# KiCad board ControlBoard.kicad_pcb (continued)
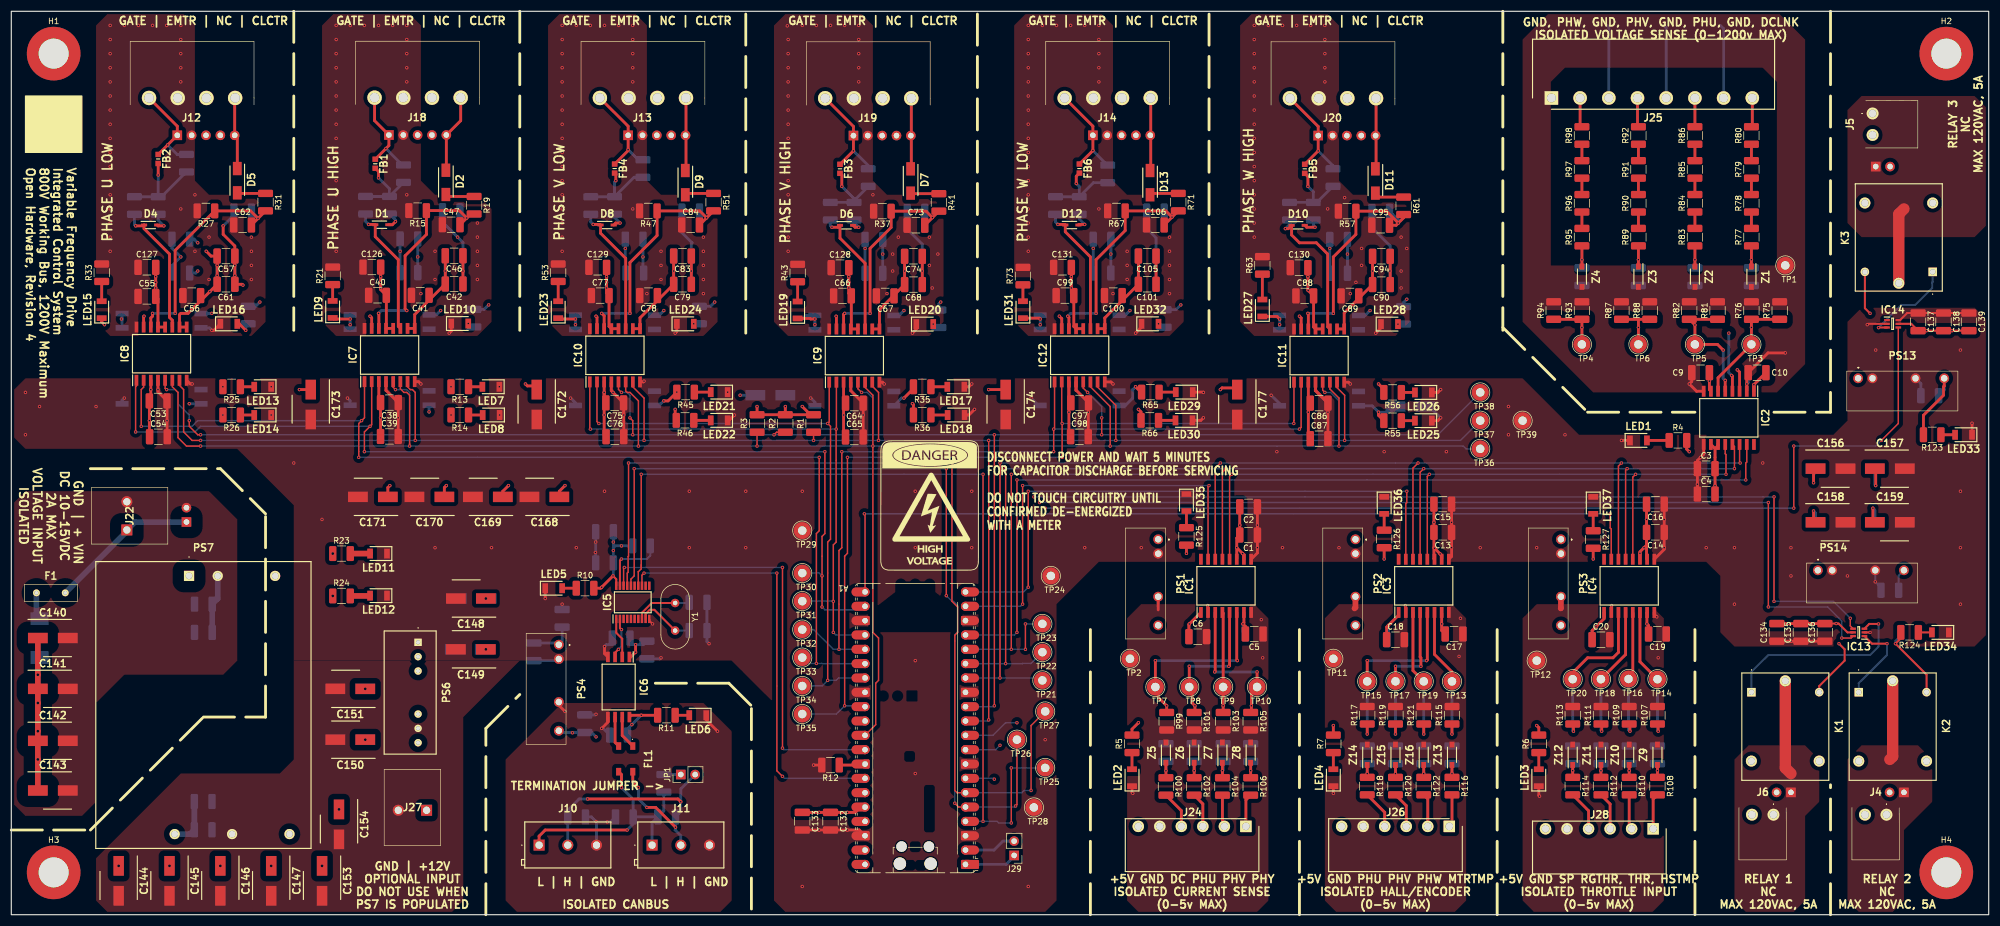
[diagram p0: board, top side]
## Footprints (pads in the part's own frame, mm; a bottom-side part is the same pattern mirrored in y, then rotated) (continued)
SOD2513X120N
  rect 1.075x0.5 smd: 1(-1.162,0) 2(1.162,0)
SOD3716X135N
  rect 1.05x0.85 smd: 1(-1.8,0) 2(1.8,0)
SOIC127P1032X265-16N
  rect 1.925x0.65 smd: 1(-4.712,4.445) 2(-4.712,3.175) 3(-4.712,1.905) 4(-4.712,0.635) 5(-4.712,-0.635) 6(-4.712,-1.905) 7(-4.712,-3.175) 8(-4.712,-4.445) 9(4.712,-4.445) 10(4.712,-3.175) 11(4.712,-1.905) 12(4.712,-0.635) 13(4.712,0.635) 14(4.712,1.905) 15(4.712,3.175) 16(4.712,4.445)
SOIC127P1150X280-8N
  rect 1.85x0.65 smd: 1(-5.325,1.905) 2(-5.325,0.635) 3(-5.325,-0.635) 4(-5.325,-1.905) 5(5.325,-1.905) 6(5.325,-0.635) 7(5.325,0.635) 8(5.325,1.905)
SOP65P640X120-20N
  rect 1.475x0.45 smd: 1(-2.938,2.925) 2(-2.938,2.275) 3(-2.938,1.625) 4(-2.938,0.975) 5(-2.938,0.325) 6(-2.938,-0.325) 7(-2.938,-0.975) 8(-2.938,-1.625) 9(-2.938,-2.275) 10(-2.938,-2.925) 11(2.938,-2.925) 12(2.938,-2.275) 13(2.938,-1.625) 14(2.938,-0.975) 15(2.938,-0.325) 16(2.938,0.325) 17(2.938,0.975) 18(2.938,1.625) 19(2.938,2.275) 20(2.938,2.925)
SOT65P210X110-6N
  rect 1x0.4 smd: 1(-1,0.65) 2(-1,0) 3(-1,-0.65) 4(1,-0.65) 5(1,0) 6(1,0.65)
TBP01R150804BE
  round 2.55 hole 1.7: 1(0,0) 2(5.08,0) 3(10.16,0) 4(15.24,0)
TBP02R138102BE
  round 2.1 hole 1.4: 1(0,0) 2(3.81,0)
TestPoint_Loop_D2.54mm_Drill1.5mm_Beaded
  round 3 hole 1.5: 1(0,0)

## Nets
/+3.3V_A: A1.36 C1.2 C2.2 C3.2 C4.2 C13.2 C14.2 C15.2 C16.2 C25.1 C28.2 C29.1 C32.1 C38.2 C39.1 C53.2 C54.1 C64.2 C65.1 C75.2 C76.1 C86.2 C87.1 C97.2 C98.1 C132.1 C133.1 C148.1 C149.1 C150.1 C151.1 C164.1 C165.1 C166.1 C167.1 IC1.10 IC1.11 IC2.10 IC2.11 IC3.10 IC3.11 IC4.10 IC4.11 IC5.20 IC6.1 IC7.3 IC8.3 IC9.3 IC10.3 IC11.3 IC12.3 PS6.6 R1.2 R2.2 R3.2 R4.2 R8.2 R10.2 R14.2 R23.1 R26.2 R36.2 R46.2 R56.2 R66.2 R125.2 R126.2 R127.2
/+5V_V: J28.6 PS3.7 R6.2
/+5V_W: J26.6 PS2.7 R7.2
/+5V_Y: J24.6 PS1.7 R5.2
/+12V_A: C27.1 C31.1 C51.2 C52.2 C144.1 C145.1 C146.1 C147.1 C152.1 C153.1 C154.1 C155.1 C156.1 C157.1 C158.1 C159.1 C160.1 C161.1 C162.1 C163.1 C168.1 C169.1 C170.1 C171.1 C172.1 C173.1 C174.1 C175.1 C176.1 C177.1 J27.1 PS1.1 PS2.1 PS3.1 PS4.1 PS5.8 PS6.2 PS7.6 PS8.8 PS9.8 PS10.8 PS11.8 PS12.8 PS13.1 PS14.1 R13.2 R24.1 R25.2 R35.2 R45.2 R55.2 R65.2
/Connectors/+VIN_Z: F1.1 J21.1 J22.1
/Connectors/VIN_GND: C49.1 C50.1 C140.2 C141.2 C142.2 C143.2 J21.2 J22.2 PS7.2
/GateDriverAssembly/GateDriver_PH_U_H/+15V_B: C40.2 C42.1 C43.1 C44.2 C45.1 C46.1 C48.1 C126.2 IC7.12 IC7.13 PS5.5 R18.1 R22.2
/GateDriverAssembly/GateDriver_PH_U_H/-9V_B: C41.1 C42.2 C43.2 C44.1 C45.2 C46.2 C48.2 IC7.9 IC7.10 IC7.15 LED9.1 PS5.3 PS5.4
/GateDriverAssembly/GateDriver_PH_U_H/GND_B: C40.1 C41.2 C47.1 C126.1 IC7.16 J15.2 J18.2 LED10.1 PS5.6 R15.2 R21.2
/GateDriverAssembly/GateDriver_PH_U_L/+15V_B: C55.2 C57.1 C58.1 C59.2 C60.1 C61.1 C63.1 C127.2 IC8.12 IC8.13 PS8.5 R30.1 R34.2
/GateDriverAssembly/GateDriver_PH_U_L/-9V_B: C56.1 C57.2 C58.2 C59.1 C60.2 C61.2 C63.2 IC8.9 IC8.10 IC8.15 LED15.1 PS8.3 PS8.4
/GateDriverAssembly/GateDriver_PH_U_L/GND_B: C55.1 C56.2 C62.1 C127.1 IC8.16 J7.2 J12.2 LED16.1 PS8.6 R27.2 R33.2
/GateDriverAssembly/GateDriver_PH_V_H/+15V_B: C66.2 C68.1 C69.1 C70.2 C71.1 C72.1 C74.1 C128.2 IC9.12 IC9.13 PS9.5 R40.1 R44.2
/GateDriverAssembly/GateDriver_PH_V_H/-9V_B: C67.1 C68.2 C69.2 C70.1 C71.2 C72.2 C74.2 IC9.9 IC9.10 IC9.15 LED19.1 PS9.3 PS9.4
/GateDriverAssembly/GateDriver_PH_V_H/GND_B: C66.1 C67.2 C73.1 C128.1 IC9.16 J16.2 J19.2 LED20.1 PS9.6 R37.2 R43.2
/GateDriverAssembly/GateDriver_PH_V_L/+15V_B: C77.2 C79.1 C80.1 C81.2 C82.1 C83.1 C85.1 C129.2 IC10.12 IC10.13 PS10.5 R50.1 R54.2
/GateDriverAssembly/GateDriver_PH_V_L/-9V_B: C78.1 C79.2 C80.2 C81.1 C82.2 C83.2 C85.2 IC10.9 IC10.10 IC10.15 LED23.1 PS10.3 PS10.4
/GateDriverAssembly/GateDriver_PH_V_L/GND_B: C77.1 C78.2 C84.1 C129.1 IC10.16 J8.2 J13.2 LED24.1 PS10.6 R47.2 R53.2
/GateDriverAssembly/GateDriver_PH_W_H/+15V_B: C88.2 C90.1 C91.1 C92.2 C93.1 C94.1 C96.1 C130.2 IC11.12 IC11.13 PS11.5 R60.1 R64.2
/GateDriverAssembly/GateDriver_PH_W_H/-9V_B: C89.1 C90.2 C91.2 C92.1 C93.2 C94.2 C96.2 IC11.9 IC11.10 IC11.15 LED27.1 PS11.3 PS11.4
/GateDriverAssembly/GateDriver_PH_W_H/GND_B: C88.1 C89.2 C95.1 C130.1 IC11.16 J17.2 J20.2 LED28.1 PS11.6 R57.2 R63.2
/GateDriverAssembly/GateDriver_PH_W_L/+15V_B: C99.2 C101.1 C102.1 C103.2 C104.1 C105.1 C107.1 C131.2 IC12.12 IC12.13 PS12.5 R70.1 R74.2
/GateDriverAssembly/GateDriver_PH_W_L/-9V_B: C100.1 C101.2 C102.2 C103.1 C104.2 C105.2 C107.2 IC12.9 IC12.10 IC12.15 LED31.1 PS12.3 PS12.4
/GateDriverAssembly/GateDriver_PH_W_L/GND_B: C99.1 C100.2 C106.1 C131.1 IC12.16 J9.2 J14.2 LED32.1 PS12.6 R67.2 R73.2
/GND_A: A1.3 A1.8 A1.13 A1.18 A1.23 A1.28 A1.38 C1.1 C2.1 C3.1 C4.1 C13.1 C14.1 C15.1 C16.1 C25.2 C26.2 C27.2 C28.1 C29.2 C30.2 C31.2 C32.2 C38.1 C39.2 C51.1 C52.1 C53.1 C54.2 C64.1 C65.2 C75.1 C76.2 C86.1 C87.2 C97.1 C98.2 C124.1 C125.1 C132.2 C133.2 C134.1 C135.1 C136.1 C137.1 C138.1 C139.1 C144.2 C145.2 C146.2 C147.2 C148.2 C149.2 C150.2 C151.2 C152.2 C153.2 C154.2 C155.2 C156.2 C157.2 C158.2 C159.2 C160.2 C161.2 C162.2 C163.2 C164.2 C165.2 C166.2 C167.2 C168.2 C169.2 C170.2 C171.2 C172.2 C173.2 C174.2 C175.2 C176.2 C177.2 IC1.9 IC2.9 IC3.9 IC4.9 IC5.10 IC6.4 IC7.4 IC7.8 IC8.4 IC8.8 IC9.4 IC9.8 IC10.4 IC10.8 IC11.4 IC11.8 IC12.4 IC12.8 IC13.2 IC14.2 IC14.6 J27.2 LED1.1 LED5.1 LED7.1 LED8.1 LED11.1 LED12.1 LED13.1 LED14.1 LED17.1 LED18.1 LED21.1 LED22.1 LED25.1 LED26.1 LED29.1 LED30.1 LED33.1 LED34.1 LED35.1 LED36.1 LED37.1 PS1.2 PS2.2 PS3.2 PS4.2 PS5.1 PS6.1 PS6.7 PS7.7 PS8.1 PS9.1 PS10.1 PS11.1 PS12.1 PS13.2 PS13.5 PS14.2 PS14.5 R12.2 TP24.1 TP28.1 TP29.1 TP39.1
/GND_U: C9.1 C10.2 C11.1 C12.2 C108.2 C109.2 C110.2 C111.2 IC2.2 IC2.8 J25.1 J25.3 J25.5 J25.7 R75.2 R76.2 R81.2 R82.2 R87.2 R88.2 R93.2 R94.2 TP1.1 Z1.2 Z2.2 Z3.2 Z4.2
/GND_V: C19.1 C20.2 C23.1 C24.2 C116.2 C117.2 C118.2 C119.2 IC4.2 IC4.8 J28.5 LED3.1 PS3.5 R107.2 R109.2 R111.2 R113.2 TP12.1 Z9.2 Z10.2 Z11.2 Z12.2
/GND_W: C17.1 C18.2 C21.1 C22.2 C120.2 C121.2 C122.2 C123.2 IC3.2 IC3.8 J26.5 LED4.1 PS2.5 R115.2 R117.2 R119.2 R121.2 TP11.1 Z13.2 Z14.2 Z15.2 Z16.2
/OutputRelays/+5V_A_INT: C125.2 C137.2 C138.2 C139.2 IC14.5 K3.4 PS13.7 R123.2
/OutputRelays/+5V_A_INT_2: C124.2 C134.2 C135.2 C136.2 IC13.5 K1.4 K2.4 PS14.7 R124.2
/ADC_1/ADC2_5VFILTER_1/OUT: C112.1 IC1.6 R99.1 R100.1 TP7.1 Z5.1
/ADC_1/ADC2_5VFILTER_2/OUT: C113.1 IC1.5 R101.1 R102.1 TP8.1 Z6.1
/ADC_1/ADC2_5VFILTER_3/OUT: C114.1 IC1.4 R103.1 R104.1 TP9.1 Z7.1
/ADC_1/ADC2_5VFILTER_4/OUT: C115.1 IC1.3 R105.1 R106.1 TP10.1 Z8.1
/ADC_1/VoltageSenseInputStage1/LV_OUT: C109.1 IC2.5 R81.1 R82.1 R83.1 TP5.1 Z2.1
/ADC_1/VoltageSenseInputStage2/LV_OUT: C110.1 IC2.4 R87.1 R88.1 R89.1 TP6.1 Z3.1
/ADC_1/VoltageSenseInputStage3/LV_OUT: C111.1 IC2.3 R93.1 R94.1 R95.1 TP4.1 Z4.1
/ADC_1/VoltageSenseInputStage/LV_OUT: C108.1 IC2.6 R75.1 R76.1 R77.1 TP3.1 Z1.1
/ADC_2/ADC3_5VFILTER_1/OUT: C120.1 IC3.6 R115.1 R116.1 TP13.1 Z13.1
/ADC_2/ADC3_5VFILTER_2/OUT: C121.1 IC3.5 R117.1 R118.1 TP15.1 Z14.1
/ADC_2/ADC3_5VFILTER_3/OUT: C122.1 IC3.4 R119.1 R120.1 TP17.1 Z15.1
/ADC_2/ADC3_5VFILTER_4/OUT: C123.1 IC3.3 R121.1 R122.1 TP19.1 Z16.1
/ADC_2/ADC4_5VFILTER_1/OUT: C116.1 IC4.6 R107.1 R108.1 TP14.1 Z9.1
/ADC_2/ADC4_5VFILTER_2/OUT: C117.1 IC4.5 R109.1 R110.1 TP16.1 Z10.1
/ADC_2/ADC4_5VFILTER_3/OUT: C118.1 IC4.4 R111.1 R112.1 TP18.1 Z11.1
/ADC_2/ADC4_5VFILTER_4/OUT: C119.1 IC4.3 R113.1 R114.1 TP20.1 Z12.1
/CAN/CAN_GND: C33.2 C34.1 C35.1 C36.2 IC6.5 J10.3 J11.3 LED6.1 PS4.5
/CAN/CAN_H_B: C35.2 C37.1 FL1.4 J10.2 J11.2 JP1.2
/CAN/CAN_ISO_5V: C33.1 C34.2 IC6.8 PS4.7 R11.2
/CAN/CAN_L_B: C36.1 C37.2 FL1.3 J10.1 J11.1 R9.2
/Connectors/PH_U_H_C: D2.1 J15.5 J18.4
/Connectors/PH_U_H_G: FB1.1 J15.1 J18.1 R20.1
/Connectors/PH_U_L_C: D5.1 J7.5 J12.4
/Connectors/PH_U_L_G: FB2.1 J7.1 J12.1 R32.1
/Connectors/PH_V_H_C: D7.1 J16.5 J19.4
/Connectors/PH_V_H_G: FB3.1 J16.1 J19.1 R42.1
/Connectors/PH_V_L_C: D9.1 J8.5 J13.4
/Connectors/PH_V_L_G: FB4.1 J8.1 J13.1 R52.1
/Connectors/PH_W_H_C: D11.1 J17.5 J20.4
/Connectors/PH_W_H_G: FB5.1 J17.1 J20.1 R62.1
/Connectors/PH_W_L_C: D13.1 J9.5 J14.4
/Connectors/PH_W_L_G: FB6.1 J9.1 J14.1 R72.1
/Control/GATE_DRIVER_FAULT_A: A1.31 IC7.6 IC8.6 IC9.6 IC10.6 IC11.6 IC12.6 R3.1 TP36.1
/Control/GATE_DRIVER_READY_A: A1.11 IC7.7 IC8.7 IC9.7 IC10.7 IC11.7 IC12.7 R1.1 TP37.1
/Control/GATE_DRIVER_RESET_A: A1.12 IC7.5 IC8.5 IC9.5 IC10.5 IC11.5 IC12.5 R2.1 TP38.1
/Control/PH_U_H_A: A1.26 IC7.1 IC8.2 TP33.1
/Control/PH_U_L_A: A1.22 IC7.2 IC8.1 TP30.1
/Control/PH_V_H_A: A1.27 IC9.1 IC10.2 TP34.1
/Control/PH_V_L_A: A1.24 IC9.2 IC10.1 TP31.1
/Control/PH_W_H_A: A1.29 IC11.1 IC12.2 TP35.1
/Control/PH_W_L_A: A1.25 IC11.2 IC12.1 TP32.1
/DC_LINK_VSENSE_U: J25.8 R80.2
/HALL_PH_U_W: J26.4 R118.2
/HALL_PH_V_W: J26.3 R120.2
/HALL_PH_W_W: J26.2 R122.2
/HEATSINK_TMP_V: J28.1 R108.2
/ISENSE_DC_LINK_Y: J24.4 R100.2
/ISENSE_GND_Y: C5.1 C6.2 C7.1 C8.2 C112.2 C113.2 C114.2 C115.2 IC1.2 IC1.8 J24.5 LED2.1 PS1.5 R99.2 R101.2 R103.2 R105.2 TP2.1 Z5.2 Z6.2 Z7.2 Z8.2
/ISENSE_PH_U_Y: J24.3 R102.2
/ISENSE_PH_V_Y: J24.2 R104.2
/ISENSE_PH_W_Y: J24.1 R106.2
/MTR_TMP_W: J26.1 R116.2
/PH_U_VSENSE_U: J25.6 R86.2
/PH_V_VSENSE_U: J25.4 R92.2
/PH_W_VSENSE_U: J25.2 R98.2
/REGEN_THROTTLE_V: J28.3 R112.2
/RELAY1_COM: J3.1 J6.1 K1.5
/RELAY1_NO: J3.2 J6.2 K1.2
/RELAY2_COM: J1.1 J4.1 K2.5
/RELAY2_NO: J1.2 J4.2 K2.2
/RELAY3_COM: J2.1 J5.1 K3.5
/RELAY3_NO: J2.2 J5.2 K3.2
/RELAY_1_A: A1.7 IC13.4
/RELAY_2_A: A1.9 IC13.6
/RELAY_3_A: A1.10 IC14.4
/SPARE_V: J28.4 R114.2
/SPI1_CAN_CS_A: A1.32 IC5.18
/SPI1_CAN_INT_A: A1.34 IC5.13
/SPI1_RX_A: A1.6 IC5.17 TP27.1
/SPI1_SCK_A: A1.4 IC5.14 TP25.1
/SPI1_TX_A: A1.5 IC5.16 TP26.1
/SPI2_ADC1_CS_A: A1.17 IC2.15
/SPI2_ADC2_CS_A: A1.19 IC1.15
/SPI2_ADC3_CS_A: A1.20 IC3.15
/SPI2_ADC4_CS_A: A1.21 IC4.15
/SPI2_RX_A: A1.16 IC1.12 IC2.12 IC3.12 IC4.12 TP23.1
/SPI2_SCK_A: A1.14 IC1.14 IC2.14 IC3.14 IC4.14 TP21.1
/SPI2_TX_A: A1.15 IC1.13 IC2.13 IC3.13 IC4.13 TP22.1
/THROTTLE_V: J28.2 R110.2
Net-(A1-AGND): A1.33 R12.1
Net-(A1-GPIO0): A1.1 J29.1
Net-(A1-GPIO1): A1.2 J29.2
Net-(C140-+): C49.2 C50.2 C140.1 C141.1 C142.1 C143.1 D3.1 PS7.1
Net-(D1-A): D1.2 R17.2
Net-(D1-K): D1.1 IC7.11 R16.2
Net-(D2-A): D2.2 R19.1
Net-(D3-A): D3.2 F1.2
Net-(D4-A): D4.2 R29.2
Net-(D4-K): D4.1 IC8.11 R28.2
Net-(D5-A): D5.2 R31.1
Net-(D6-A): D6.2 R39.2
Net-(D6-K): D6.1 IC9.11 R38.2
Net-(D7-A): D7.2 R41.1
Net-(D8-A): D8.2 R49.2
Net-(D8-K): D8.1 IC10.11 R48.2
Net-(D9-A): D9.2 R51.1
Net-(D10-A): D10.2 R59.2
Net-(D10-K): D10.1 IC11.11 R58.2
Net-(D11-A): D11.2 R61.1
Net-(D12-A): D12.2 R69.2
Net-(D12-K): D12.1 IC12.11 R68.2
Net-(D13-A): D13.2 R71.1
Net-(FB1-Pad2): FB1.2 R16.1 R17.1 R20.2
Net-(FB2-Pad2): FB2.2 R28.1 R29.1 R32.2
Net-(FB3-Pad2): FB3.2 R38.1 R39.1 R42.2
Net-(FB4-Pad2): FB4.2 R48.1 R49.1 R52.2
Net-(FB5-Pad2): FB5.2 R58.1 R59.1 R62.2
Net-(FB6-Pad2): FB6.2 R68.1 R69.1 R72.2
Net-(IC1-REF): C6.1 C8.1 IC1.1
Net-(IC1-VDDF): C5.2 C7.2 IC1.7
Net-(IC2-REF): C10.1 C12.1 IC2.1
Net-(IC2-VDDF): C9.2 C11.2 IC2.7
Net-(IC3-REF): C18.1 C22.1 IC3.1
Net-(IC3-VDDF): C17.2 C21.2 IC3.7
Net-(IC4-REF): C20.1 C24.1 IC4.1
Net-(IC4-VDDF): C19.2 C23.2 IC4.7
Net-(IC5-OSC1): C30.1 IC5.9 Y1.2
Net-(IC5-OSC2): C26.1 IC5.8 Y1.1
Net-(IC5-RXCAN): IC5.2 IC6.3
Net-(IC5-TXCAN): IC5.1 IC6.2
Net-(IC5-~{RESET}): IC5.19 R8.1
Net-(IC6-CANH): FL1.1 IC6.7
Net-(IC6-CANL): FL1.2 IC6.6
Net-(IC7-DESAT): C47.2 IC7.14 R15.1 R18.2 R19.2
Net-(IC8-DESAT): C62.2 IC8.14 R27.1 R30.2 R31.2
Net-(IC9-DESAT): C73.2 IC9.14 R37.1 R40.2 R41.2
Net-(IC10-DESAT): C84.2 IC10.14 R47.1 R50.2 R51.2
Net-(IC11-DESAT): C95.2 IC11.14 R57.1 R60.2 R61.2
Net-(IC12-DESAT): C106.2 IC12.14 R67.1 R70.2 R71.2
Net-(IC13-C1/A1): IC13.1 K2.1
Net-(IC13-C2/A2): IC13.3 K1.1
Net-(IC14-C2/A2): IC14.3 K3.1
Net-(JP1-A): JP1.1 R9.1
Net-(LED1-A): LED1.2 R4.1
Net-(LED2-A): LED2.2 R5.1
Net-(LED3-A): LED3.2 R6.1
Net-(LED4-A): LED4.2 R7.1
Net-(LED5-A): LED5.2 R10.1
Net-(LED6-A): LED6.2 R11.1
Net-(LED7-A): LED7.2 R13.1
Net-(LED8-A): LED8.2 R14.1
Net-(LED9-A): LED9.2 R21.1
Net-(LED10-A): LED10.2 R22.1
Net-(LED11-A): LED11.2 R23.2
Net-(LED12-A): LED12.2 R24.2
Net-(LED13-A): LED13.2 R25.1
Net-(LED14-A): LED14.2 R26.1
Net-(LED15-A): LED15.2 R33.1
Net-(LED16-A): LED16.2 R34.1
Net-(LED17-A): LED17.2 R35.1
Net-(LED18-A): LED18.2 R36.1
Net-(LED19-A): LED19.2 R43.1
Net-(LED20-A): LED20.2 R44.1
Net-(LED21-A): LED21.2 R45.1
Net-(LED22-A): LED22.2 R46.1
Net-(LED23-A): LED23.2 R53.1
Net-(LED24-A): LED24.2 R54.1
Net-(LED25-A): LED25.2 R55.1
Net-(LED26-A): LED26.2 R56.1
Net-(LED27-A): LED27.2 R63.1
Net-(LED28-A): LED28.2 R64.1
Net-(LED29-A): LED29.2 R65.1
Net-(LED30-A): LED30.2 R66.1
Net-(LED31-A): LED31.2 R73.1
Net-(LED32-A): LED32.2 R74.1
Net-(LED33-A): LED33.2 R123.1
Net-(LED34-A): LED34.2 R124.1
Net-(LED35-A): LED35.2 R125.1
Net-(LED36-A): LED36.2 R126.1
Net-(LED37-A): LED37.2 R127.1
Net-(R77-Pad2): R77.2 R78.1
Net-(R78-Pad2): R78.2 R79.1
Net-(R79-Pad2): R79.2 R80.1
Net-(R83-Pad2): R83.2 R84.1
Net-(R84-Pad2): R84.2 R85.1
Net-(R85-Pad2): R85.2 R86.1
Net-(R89-Pad2): R89.2 R90.1
Net-(R90-Pad2): R90.2 R91.1
Net-(R91-Pad2): R91.2 R92.1
Net-(R95-Pad2): R95.2 R96.1
Net-(R96-Pad2): R96.2 R97.1
Net-(R97-Pad2): R97.2 R98.1

Pads without a net: A1 30 35 37 39 40; H1 1; H2 1; H3 1; H4 1; IC1 16; IC2 16; IC3 16; IC4 16; IC5 3 4 5 6 7 11 12 15; IC14 1; J7 3 4; J8 3 4; J9 3 4; J12 3; J13 3; J14 3; J15 3 4; J16 3 4; J17 3 4; J18 3; J19 3; J20 3; K1 3; K2 3; K3 3; PS5 7; PS6 3 8; PS7 4 8; PS8 7; PS9 7; PS10 7; PS11 7; PS12 7

## Via types
v1: diameter 0.6, hole 0.3, Top to Bottom, 744 vias
v2: diameter 1, hole 0.5, Top to Bottom, 16 vias

## Routing (per net, layer and track width the routed paths; a pad name or vN(x,y) marks a point on that pad's centre or on a via; arc(x,y) is an arc through that point)
/+3.3V_A: length 179.2
  Top w0.35: v1(106.5,60) 107.07,59.42 IC5.20
  Top w0.5: v1(106.5,60) v1(104.5,58) 104.32,57.83 R10.2 ; 218.18,62.96 218.18,63.73 v1(217.95,63.95) v1(216.91,65) ; R125.2 v1(208,64) ; 288.27,62.96 v1(288.27,64) 288.27,64.27 v1(289,65) 289.44,65.44 v1(289.44,70) C16.2 ; R56.2 242.94,93.06 v1(242,94) ; C97.2 187.19,90.99 IC12.3 v1(187.19,89) 187.19,84.95 C98.1 ; 65.06,94.41 65.06,91 C38.2 v1(65.36,88) C39.1 ; v1(110.5,47.83) v1(110.5,46.5) 109.65,45.65 IC6.1 ; v1(159.5,90.5) 159.68,90.32 R36.2 ; R127.2 v1(280,63) ; C133.1 v1(143,18.12) v1(148,18.12) 149.37,18.12 A1.36 ; 251.9,62.96 251.81,63.06 251.81,65 ; C54.1 24.44,84.69 v1(24.44,87.5) C53.2 24.69,91.25 v1(24.69,93) IC8.3 ; C15.2 v1(251.81,69.5) 251.81,65 ; IC11.3 v1(229.57,89) 229.57,84.65 C87.1 ; R4.2 296.55,82.45 v1(297,82) ; v1(140,90) 141.45,88.55 R1.2 R3.2 v1(132,90) ; C2.2 v1(217.44,69) C1.2 216.91,66.71 v1(216.91,65) ; IC9.3 v1(147.31,88.5) 147.31,84.94 C65.1 ; v1(199.5,89.5) 199.96,89.04 R66.2 ; 216.91,62.96 v1(216.91,65) ; IC2.11 302.1,83.08 301.56,82.55 ; R2.2 v1(137,90) ; C14.2 289.44,63.06 289.54,62.96 ; v1(104.94,92.5) 104.94,92 ; v1(104.94,92.5) IC10.3 ; v1(104.94,92.5) v1(104.94,88.5) 104.94,84.99 C76.1 ; 251.81,65 v1(251.9,64.9) v1(252.9,63.9) 253.18,63.63 253.18,62.96 ; IC2.10 301.56,82.55 ; 301.56,82.55 C3.2 v1(301.56,76) C4.2 ; R126.2 v1(243,63) ; R46.2 117.5,87.75 v1(117.5,89.5)
  Bottom w0.5: C29.1 v1(106.56,66) 106.56,65 ; v1(106.5,60) 106.56,60.06 v1(106.56,64.5) 106.56,65 ; C28.2 111.88,47.83 v1(110.5,47.83) 109.5,47.83 ; 106.56,65 106.89,65.33 v1(108,65.33) R8.2
  vias: v1(37.45,88.5) v1(77.83,88.5) v2(56.9,63.96) v2(62.65,40) v2(62.65,31) v2(84,56) v2(84,47)
/+5V_V: length 1.8
  Top w0.5: v1(270,33.5) 270.37,33.13 R6.2
/+5V_W: length 1.7
  Top w0.5: R7.2 v1(234,33.5)
/+5V_Y: length 2.7
  Top w0.5: R5.2 198.37,32.87 v1(199.5,34)
/+12V_A: length 94.3
  Top w0.5: v1(214,93) 214.3,93.3 217,93.3 ; C169.1 87,75 v1(88,76) ; C159.1 329.5,69.85 v1(329.5,72) ; v1(242,89) 242,88.44 R55.2 ; C156.1 319,78.65 v1(319,76.5) ; C170.1 76.65,75.65 v1(77,76) ; 93,93.65 91.35,93.65 v1(91,94) ; v1(319,71.5) 319,69.85 C158.1 ; C157.1 330,78.85 v1(330,76) ; C171.1 66.65,75.65 v1(67,76) ; R35.2 159.68,93.18 v1(158,91.5) ; R65.2 199.95,92.55 v1(199,93.5) ; v1(117.8,92.55) 116.25,91 v1(115.5,91) ; C168.1 97,75 v1(98,76) ; C174.1 v1(173,93) ; C173.1 v1(51,93)
  In3.Cu w1: PS13.1 326.89,90.61 327.5,90
  Bottom w0.5: C27.1 97.5,48.41 PS4.1 96.61,48.12 C31.1 ; v1(31.5,90.5) 31.53,90.47 PS8.8 ; C158.1 319.35,71.15 v1(319,71.5) ; C156.1 319.35,78.35 319,78 v1(319,76.5) ; v1(115.5,91) 114.68,90.18 113.82,90.18 ; v1(329.5,72) 329.85,71.65 C159.1 ; C157.1 329.85,76.15 v1(330,76) ; 74,89 v1(73.94,89.06) PS5.8 ; PS12.8 197.18,90.18 198.5,91.5 198.5,93 v1(199,93.5) ; v1(158,91.5) 157.57,91.5 PS9.8 ; C176.1 244,89 v1(242,89) 240.87,90.13 238.46,90.13 ; C175.1 v1(129,92)
  Bottom w1: PS7.6 31.63,14.28 C51.2 C52.2
  vias: v1(37.45,93.5) v1(77.83,93.5) v2(19,8.65) v2(28,8.65) v2(37,8.65) v2(46,8.65) v2(55,8.65) v2(56.9,56.46) v2(58,18.65)
/Connectors/+VIN_Z: length 26.8
  Bottom w1: J21.1 21.85,69.55 J22.1 20.45,67.9 F1.1
/Connectors/VIN_GND: length 10.4
  Bottom w1: PS7.2 36.54,55.98 C50.1 C49.1
/GateDriverAssembly/GateDriver_PH_U_H/+15V_B: length 43.4
  Top w0.5: C42.1 v1(79.94,114) C46.1 ; IC7.12 IC7.13 66.38,103.89 C40.2 65.38,110.7 v1(65.38,111) v1(65.38,112) v1(65.38,113) C126.2
  Bottom w0.5: R22.2 83.7,107.2 v1(84.5,108) ; R18.1 76.32,122.68 v1(79,120) 79.94,119.06 C46.1 C42.1 ; C45.1 v1(68.82,117.5) C44.2 ; v1(76,107) 75.23,106.23 PS5.5
/GateDriverAssembly/GateDriver_PH_U_H/-9V_B: length 35.4
  Top w0.5: v1(63.5,106) 63.78,105.72 IC7.15 ; 70.14,103.84 IC7.9 71.41,106.29 C42.2 v1(76.82,114) C46.2 ; LED9.1 57.08,105.5 v1(59.97,105.5)
  Bottom w0.5: C45.2 v1(71.94,116.5) C44.1 ; PS5.3 v1(59.97,104.5) v1(59.97,105.5) PS5.4 ; C46.2 C42.2
/GateDriverAssembly/GateDriver_PH_U_H/GND_B: length 1.9
  Top w0.5: LED10.1 77.88,103.38 v1(77.5,103)
  vias: v1(57.5,157.5) v1(57.5,155) v1(57.5,152.5) v1(57.5,150) v1(57.5,147.5) v1(57.5,145) v1(57.5,142.5) v1(57.5,140) v1(57.5,137.5) v1(57.5,135) v1(57.5,132.5) v1(57.5,130) v1(57.5,127.5) v1(57.5,125) v1(57.5,122.5) v1(57.5,120) v1(57.5,117.5) v1(60,157.5) v1(62.5,157.5) v1(65,157.5) v1(67.5,157.5) v1(70,157.5) v1(70,155) v1(70,152.5) v1(70,150) v1(70,147.5) v1(70,127.5) v1(72.5,110) v1(75,117.5) v1(75,112.5) v1(82.5,122.5) v1(82.5,120) v1(82.5,117.5) v1(82.5,115) v1(82.5,112.5)
/GateDriverAssembly/GateDriver_PH_U_L/+15V_B: length 44.8
  Top w0.5: C127.2 v1(25.56,113) v1(25.56,112) v1(25.56,111) C55.2 25.96,109.1 IC8.13 IC8.12 ; v1(41,111.5) 40.85,111.65 C61.1 C57.1 39.56,118.44 37.5,120.5 v1(37.5,122)
  Bottom w0.5: PS8.5 35.47,106.47 v1(35.5,106.5) ; C59.2 28.44,114.94 v1(30,116.5) 28.44,118.06 C60.1 ; v1(37.5,122) 39.4,123.9 R30.1 ; R34.2 43.25,107.75 v1(44,108.5) ; C61.1 v1(39.56,113.25) v1(39.56,115) C57.1
/GateDriverAssembly/GateDriver_PH_U_L/-9V_B: length 35.7
  Top w0.5: v1(23.5,106) 23.42,105.92 IC8.15 ; v1(34.5,117.5) 35.35,116.65 C57.2 C61.2 v1(35.14,110.36) 31.29,106.5 30,106.5 29.77,106.27 IC8.10 IC8.9 ; LED15.1 16,105 v1(16.5,104.5)
  Bottom w0.5: C60.2 32.35,119.65 v1(33,119) ; PS8.3 19.61,105.39 v1(19.5,105.5) 19.61,105.61 PS8.4 ; C57.2 v1(36.44,115) v1(36.44,113.25) C61.2 v1(35.14,110.36) ; C59.1 32.65,113.65 v1(33,114)
/GateDriverAssembly/GateDriver_PH_U_L/GND_B: length 4.1
  Top w0.5: LED16.1 35.85,103.5 v1(35.5,103.5)
  Bottom w0.5: PS8.6 35.07,103.93 v1(35.5,103.5)
  vias: v1(17.5,157.5) v1(17.5,155) v1(17.5,152.5) v1(17.5,150) v1(17.5,147.5) v1(17.5,145) v1(17.5,142.5) v1(17.5,140) v1(17.5,137.5) v1(17.5,135) v1(17.5,132.5) v1(17.5,130) v1(17.5,127.5) v1(17.5,125) v1(17.5,122.5) v1(17.5,120) v1(17.5,117.5) v1(20,157.5) v1(22.5,157.5) v1(25,157.5) v1(27.5,157.5) v1(30,157.5) v1(30,155) v1(30,152.5) v1(30,150) v1(30,147.5) v1(30,125) v1(32.5,127.5) v1(32.5,117.5) v1(35,120) v1(35,112.5) v1(42.5,120) v1(42.5,117.5) v1(42.5,115) v1(42.5,112.5)
/GateDriverAssembly/GateDriver_PH_V_H/+15V_B: length 41.1
  Top w0.5: C68.1 v1(161.24,114) C74.1 ; C128.2 v1(148.24,113) v1(148.24,112) v1(148.24,111) 148.24,110.04 C66.2 148.68,103.83 IC9.13 IC9.12
  Bottom w0.5: C68.1 C74.1 161.24,118.76 158.58,121.42 R40.1 ; PS9.5 157.13,106.13 v1(158,107) ; C71.1 v1(151.12,118) C70.2 ; R44.2 164.18,108.18 v1(164.5,108.5)
/GateDriverAssembly/GateDriver_PH_V_H/-9V_B: length 37
  Top w0.5: v1(146,106) 146.04,105.95 IC9.15 ; IC9.10 IC9.9 153.66,107.15 C68.2 v1(158.12,114) C74.2 ; LED19.1 141.4,105.6 141.5,105.5 v1(142.24,105.5)
  Bottom w0.5: C70.1 v1(154.24,117) C71.2 ; C74.2 C68.2 ; 142.24,103.59 v1(142.24,104.5) v1(142.24,105.5) 142.24,106.13 140.63,106.13 140.25,105.75
/GateDriverAssembly/GateDriver_PH_V_H/GND_B: length 1.9
  Top w0.5: v1(159.5,103) 160.18,103.68 LED20.1
  vias: v1(137.35,157.42) v1(137.5,155) v1(137.5,152.5) v1(137.5,150) v1(137.5,147.5) v1(137.5,145) v1(137.5,142.5) v1(137.5,140) v1(137.5,137.5) v1(137.5,135) v1(137.5,132.5) v1(137.5,130) v1(137.5,127.5) v1(137.5,125) v1(137.5,122.5) v1(137.5,120) v1(137.5,117.5) v1(140,157.5) v1(142.5,157.5) v1(145,157.5) v1(147.5,157.5) v1(150,157.5) v1(150,155) v1(150,152.5) v1(150,150) v1(150,147.5) v1(152.5,127.5) v1(155,110) v1(156,117) v1(156,114) v1(157,120) v1(162.5,120) v1(162.5,115) v1(163,111) v1(164,117)
/GateDriverAssembly/GateDriver_PH_V_L/+15V_B: length 42.4
  Top w0.5: IC10.12 IC10.13 105.8,104.19 C77.2 105.36,110.09 v1(105.36,111) v1(105.36,112) v1(105.36,113) C129.2 ; C83.1 C79.1
  Bottom w0.5: C79.1 v1(120.36,114) C83.1 120.36,118.86 120.5,119 118.7,120.8 R50.1 ; 113.82,106.18 114.68,106.18 v1(115.5,107) ; C81.2 108.68,113.78 v1(108.68,118) C82.1 ; R54.2 123.75,107.75 v1(124.5,108.5)
/GateDriverAssembly/GateDriver_PH_V_L/-9V_B: length 35.6
  Top w0.5: v1(99.86,105.5) 96.95,105.5 LED23.1 ; v1(103.5,106) 103.66,105.84 IC10.15 ; C83.2 C79.2 111.28,105.7 IC10.9 IC10.10
  Bottom w0.5: C81.1 111.8,113.78 v1(111.8,116.5) C82.2 ; PS10.3 v1(99.86,104.5) v1(99.86,105.5) PS10.4 ; C83.2 v1(117.24,114) C79.2
/GateDriverAssembly/GateDriver_PH_V_L/GND_B: length 1.8
  Top w0.5: v1(117.5,103) 117.8,103.3 LED24.1
  vias: v1(97.5,157.5) v1(97.5,155) v1(97.5,152.5) v1(97.5,150) v1(97.5,147.5) v1(97.5,145) v1(97.5,142.5) v1(97.5,140) v1(97.5,137.5) v1(97.5,135) v1(97.5,132.5) v1(97.5,130) v1(97.5,127.5) v1(97.5,125) v1(97.5,122.5) v1(97.5,120) v1(97.5,117.5) v1(100,157.5) v1(102.5,157.5) v1(105,157.5) v1(107.5,157.5) v1(110,157.5) v1(110,155) v1(110,152.5) v1(110,150) v1(110,147.5) v1(110,125) v1(112.5,110) v1(115,117.5) v1(115,115) v1(115,112.5) v1(122.5,120) v1(122.5,117.5) v1(122.5,115) v1(122.5,112.5) v1(122.5,110)
/GateDriverAssembly/GateDriver_PH_W_H/+15V_B: length 42
  Top w0.5: C90.1 244.06,111.6 C94.1 ; IC11.12 230.84,103.74 230.5,104.08 C88.2 v1(229.55,110.55) 229.5,110.6 v1(229.5,112) v1(229.5,113) C130.2
  Bottom w0.5: 238.46,106.13 239.63,106.13 v1(240.5,107) ; C92.2 v1(233.38,118) C93.1 ; R60.1 240.84,121.66 244.06,118.44 C94.1 244.06,111.6 C90.1 ; v1(247,109) 246.44,108.44 R64.2
  vias: v1(244,114)
/GateDriverAssembly/GateDriver_PH_W_H/-9V_B: length 35.4
  Top w0.5: v1(228,106) 228.31,105.69 IC11.15 ; LED27.1 224.04,105.95 v1(224.5,105.5) ; C94.2 v1(240.94,114) 240.94,111.6 C90.2 235.93,106.58 IC11.9 234.65,103.74
  Bottom w0.5: C93.2 v1(236.5,117) C92.1 ; C94.2 240.94,111.6 C90.2 ; PS11.3 v1(224.5,104.5) v1(224.5,105.5) PS11.4
/GateDriverAssembly/GateDriver_PH_W_H/GND_B: length 2
  Top w0.5: LED28.1 242.44,103.94 v1(241.5,103)
  vias: v1(220,157.5) v1(220,155) v1(220,152.5) v1(220,150) v1(220,147.5) v1(220,145) v1(220,142.5) v1(220,140) v1(220,137.5) v1(220,135) v1(220,132.5) v1(220,130) v1(220,127.5) v1(220,125) v1(220,122.5) v1(220,120) v1(222.5,157.5) v1(225,157.5) v1(225,157.5) v1(227.5,157.5) v1(230,157.5) v1(232.5,157.5) v1(232.5,155) v1(232.5,152.5) v1(232.5,150) v1(232.5,147.5) v1(233,125) v1(236,127) v1(237,110) v1(238,112) v1(239,118) v1(239,115) v1(246,120) v1(246,114) v1(246,111) v1(247,118)
/GateDriverAssembly/GateDriver_PH_W_L/+15V_B: length 42.7
  Top w0.5: C131.2 v1(187.62,113) v1(187.62,112) v1(187.62,111) 187.62,110.09 C99.2 188.06,104.19 IC12.13 189.74,103.79 ; C105.1 C101.1
  Bottom w0.5: v1(198,107) 197.18,106.18 PS12.5 ; v1(207,108) 206.15,107.15 R74.2 ; C104.1 v1(191.5,118) C103.2 ; C101.1 C105.1 202.62,119.88 200.96,121.54 R70.1
  vias: v1(202.64,114.12)
/GateDriverAssembly/GateDriver_PH_W_L/-9V_B: length 35.6
  Top w0.5: C105.2 C101.2 193.54,105.7 IC12.9 IC12.10 ; v1(182.12,105.5) 181.97,105.65 LED31.1 ; IC12.15 185.93,105.58 v1(185.5,106)
  Bottom w0.5: 182.12,106.18 v1(182.12,105.5) v1(182.12,104.5) 182.12,103.64 ; C105.2 v1(199.5,114) C101.2 ; C104.2 v1(194.62,117) C103.1
/GateDriverAssembly/GateDriver_PH_W_L/GND_B: length 2.1
  Top w0.5: LED32.1 200.06,104.06 v1(199,103)
  vias: v1(180,157.5) v1(180,155) v1(180,152.5) v1(180,150) v1(180,147.5) v1(180,145) v1(180,142.5) v1(180,140) v1(180,137.5) v1(180,135) v1(180,132.5) v1(180,130) v1(180,127.5) v1(180,125) v1(180,122.5) v1(180,120) v1(180,117.5) v1(182.5,157.5) v1(185,157.5) v1(187.5,157.5) v1(190,157.5) v1(192.5,157.5) v1(192.5,155) v1(192.5,152.5) v1(192.5,150) v1(192.5,147.5) v1(192.5,125) v1(195,110) v1(197.5,117.5) v1(197.5,115) v1(197.5,112.5) v1(205,120) v1(205,117.5) v1(205,115) v1(205,112.5) v1(205,110)
/GND_A: length 222.9
  Top w0.35: v1(328.5,104.5) 328.65,104.65 IC14.2 ; v1(113.5,51.5) 112.93,52.08 IC5.10 ; C139.1 335.56,106.56 334.3,105.3 IC14.6 ; IC13.2 v1(329,50)